# Altium PCB GDI V2.PcbDoc (part 2 of 2)
Units mil, origin at the board's own origin, x right, y up, seen from the top; angles counter-clockwise.
Board outline 3273.06 x 2662.82 mil, 2 copper layers (Top Layer, Bottom Layer); 93 components, 79 nets, 324 pads, 101 vias.
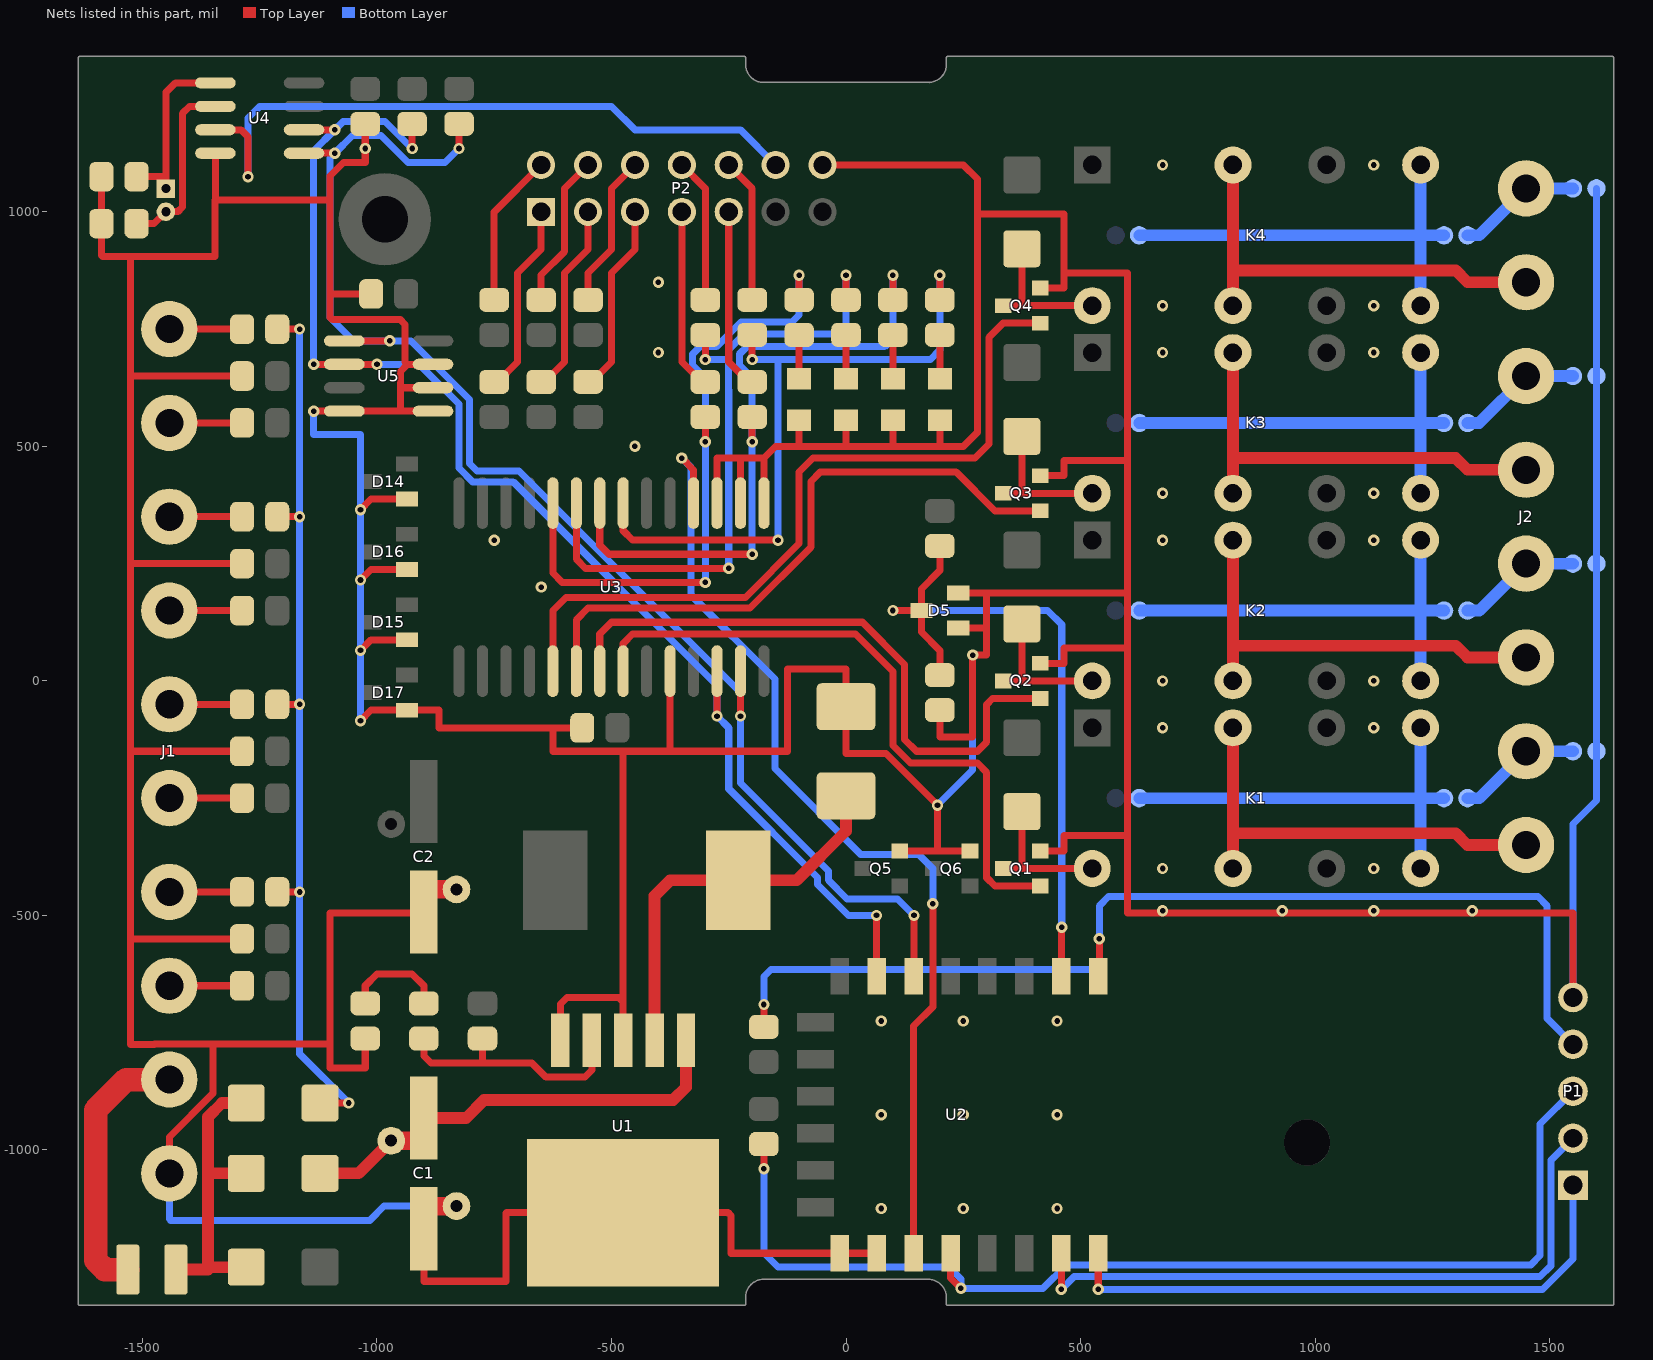
[diagram p2: the nets of this part, all layers, seen from the top]

## Via types
v1: diameter 24, hole 12, Top Layer to Bottom Layer, 101 vias

## Nets (pads, with @x,y where several pads share a name; then routed paths per layer and width w, separated by ;. In a path a pad name is that pad's centre, name@x,y a point inside that pad or via, vN(x,y) a via of type N, cw(c..) or ccw(c..) an arc to the next point about the centre after c; other vN are vias at no path point) (continued)
GND: C1.2 C2.2 C5.1 C6.1 C7.1 C8.1 C9.1 D4.1 D5.1 D5.2 D10.K D11.K D12.K D13.K D14.1 D15.1 D16.1 D17.1 J1.10 LINK5.2 LINK6.2 LINK11.2 LINK12.2 P1.5 P2.14 Q1.2 Q2.2 Q3.2 Q4.2 Q5.2 Q6.2 R2.2 R8.1 R29.1 R30.1 R35.1 R36.1 U1.3 U1.5 U2.15 U2.16 U3.10 U3.15 U3.16 U3.17 U4.4 U5.4 U5.5 U5.6 U5.7 | length 20980.6
  Top Layer w15: C5.1@-1587.4,1075 C6.1@-1587.4,975 -1587.4,907.4 -1585,905 -1525,905 ; J1.10@-1442.67,-1049.95 -1442.67,-972.67 -1350,-880 -1350,-774.45 ; U4.4@-1344.49,1125 -1344.49,1025.51 -1345,1025 ; R36.1@-1287.4,-550 -1525,-550 ; R30.1@-1287.4,-150 -1525,-150 ; R35.1@-1287.4,250 -1525,250 ; R29.1@-1287.4,650 -1525,650 ; v1(-1135,575) U5.4@-1069.49,575 -950,575 ; -1090,825 C9.1@-1012.4,825 ; v1(-1035,-85) -1012.4,-62.4 D17.1@-935.63,-62.4 -867.4,-62.4 -867.4,-100 -625,-100 ; v1(-1035,65) -1012.4,87.6 D15.1@-935.63,87.6 ; v1(-1035,215) -1012.4,237.6 D16.1@-935.63,237.6 ; v1(-1035,365) -1012.4,387.6 D14.1@-935.63,387.6 ; R2.2@-1025,-762.4 -1025,-825 -1100,-825 -1100,-775 ; C7.1@-1025,1187.6 v1(-1025,1135) -1025,1105 -1071.11,1105 -1100,1076.11 -1100,1025 ; C1.2@-900,-1168.11 -900,-1280 -725,-1280 -725,-1135 -723.86,-1133.86 U1.5@-475,-1133.86 -251.14,-1133.86 -245,-1140 -245,-1220 -244.72,-1220.28 U2.15@-13.39,-1220.28 U2.16@65.35,-1220.28 ; C2.2@-900,-493.11 -901.89,-495 -1100,-495 -1100,-775 ; U5.5@-880.51,575 -950,575 ; U5.6@-880.51,625 -950,625 ; U5.7@-880.51,675 -935,675 ; U1.5@-608.86,-765.75 -608.86,-688.86 -595,-675 -485,-675 -475,-685 ; C8.1@-562.4,-100 -625,-100 ; U1.3@-475,-765.75 -475,-685 ; U3.10@-375,20.87 -375,-145 -380,-150 ; U3.17@-275,379.13 -275,475 -225,475 ; U3.16@-225,379.13 -225,475 ; U3.15@-175,379.13 -175,475 ; D10.K@-100,555.71 -100,505 -105,500 ; P2.14@-50,1100 250,1100 280,1070 280,995 ; D11.K@0,555.71 0,500 ; D12.K@100,555.71 100,500 ; Q5.2@114.37,-362.6 200,-362.6 ; R8.1@200,-62.4 200,-120 270,-120 v1(270,55) 300,55 300,185 ; D13.K@200,555.71 200,500 ; D5.1@239.37,112.6 292.4,112.6 ; D5.2@239.37,187.4 592.4,187.4 ; Q6.2@264.37,-362.6 200,-362.6 ; Q1.2@414.37,-362.6 465,-362.6 465,-330 600,-330 ; Q2.2@414.37,37.4 465,37.4 465,70 600,70 ; Q3.2@414.37,437.4 465,437.4 465,470 600,470 ; Q4.2@414.37,837.4 465,837.4 465,870 ; P1.5@1550,-675 1550,-495 600,-495 600,-330 ; -1525,-550 -1525,-150 ; -1525,-550 -1525,-775 -1474.49,-775 -1473.95,-774.45 -1350,-774.45 ; -1525,-150 -1525,250 ; -1525,250 -1525,650 ; -1525,650 -1525,905 ; -1525,905 -1345,905 -1345,1025 ; -1350,-774.45 -1100.55,-774.45 -1100,-775 ; -1345,1025 -1100,1025 ; -1100,1025 -1100,775 -1095,770 -950,770 -940,760 -940,680 -935,675 ; -950,575 -950,625 ; -950,625 -950,660 -935,675 ; -625,-100 -625,-150 -475,-150 ; -475,-685 -475,-150 ; -475,-150 -380,-150 ; -380,-150 -125,-150 -125,25 0,25 D4.1@0,-55 0,-155 85,-155 v1(195,-265) 195,-357.6 200,-362.6 ; -225,475 -175,475 ; -175,475 -150,500 -105,500 ; -105,500 0,500 ; 0,500 100,500 ; 100,500 200,500 ; 200,500 250,500 280,530 280,995 ; 280,995 465,995 465,870 ; 465,870 600,870 600,470 ; 600,-330 600,70 ; 600,70 600,470
  Bottom Layer w15: J1.10@-1442.67,-1049.95 -1442.67,-1147.33 -1440,-1150 -1015,-1150 -984.6,-1119.6 C1.2@-830.4,-1119.6 ; v1(-1135,575) -1135,525 -1035,525 v1(-1035,365) v1(-1035,215) v1(-1035,65) v1(-1035,-85) ; v1(195,-265) 270,-190 v1(270,55) ; P1.5@1550,-675 1550,-305 1600,-255 LINK5.2@1600,-150 LINK6.2@1600,250 LINK11.2@1600,650 LINK12.2@1600,1050
  other v1: 75,-1125 250,-1125 450,-1125 75,-925 250,-925 450,-925 75,-725 250,-725 450,-725 675,-490 930,-490 1125,-490 1335,-490 675,-400 1125,-400 675,-100 1125,-100 675,0 1125,0 -650,200 -750,300 675,300 1125,300 675,400 1125,400 -450,500 -400,700 675,700 1125,700 675,800 1125,800 -400,850 675,1100 1125,1100
GPIO_0: P1.3 R6.1 U2.18 | length 2422.3
  Top Layer w15: v1(-175,-1040) R6.1@-175,-987.4 ; U2.18@222.83,-1220.28 222.83,-1272.83 v1(245,-1295)
  Bottom Layer w15: v1(-175,-1040) -175,-1220 -145,-1250 220,-1250 245,-1275 v1(245,-1295) 420,-1295 470,-1245 1460,-1245 1480,-1225 1480,-945 P1.3@1550,-875
MCP23017_RST: U2.17 U3.18 | length 2112.4
  Top Layer w15: v1(-350,475) -325,450 U3.18@-325,379.13 ; U2.17@144.09,-1220.28 144.09,-735.91 185,-695 v1(185,-475)
  Bottom Layer w15: v1(-350,475) -330,455 -330,182.53 -151.5,4.03 -151.5,-187.08 31.42,-370 155,-370 185,-400 v1(185,-475)
NetC5_2: C5.2 U4.1 X1.1 | length 381.7
  Top Layer w15: C5.2@-1512.6,1075 -1450,1075 ; X1.1@-1450,1049.69 -1450,1075 ; U4.1@-1344.49,1275 -1430,1275 -1450,1255 -1450,1075
NetC6_2: C6.2 U4.2 X1.2 | length 388.8
  Top Layer w15: C6.2@-1512.6,975 -1475.32,975 X1.2@-1450,1000.32 -1424.69,1000.32 -1414.82,1010.19 -1414.82,1210.19 -1400,1225 U4.2@-1344.49,1225
NetD1_1: D1.1 D2.1 D3.1 F1.2 | length 627.3
  Top Layer w25: F1.2@-1428.82,-1255 -1360,-1255 ; D3.1@-1303.74,-1250 -1355,-1250 -1360,-1255 ; D1.1@-1278.74,-1050 -1360,-1050 ; D2.1@-1278.74,-900 -1330.4,-900 -1360,-929.6 -1360,-1050 ; -1360,-1255 -1360,-1050
NetD4_2: D4.2 L1.1 U1.2 | length 847.9
  Top Layer w25: U1.2@-408.07,-765.75 -408.07,-458.07 -375,-425 L1.1@-230,-425 -105,-425 0,-320 D4.2@0,-245
NetD6_1: D6.1 K1.16 Q1.3 | length 500
  Top Layer w15: D6.1@375,-278.74 375,-400 ; 375,-400 K1.16@525,-400 Q1.3@335.63,-400 375,-400
NetD7_1: D7.1 K2.16 Q2.3 | length 500
  Top Layer w15: D7.1@375,121.26 375,0 ; 375,0 Q2.3@335.63,0 K2.16@525,0 375,0
NetD8_1: D8.1 K3.16 Q3.3 | length 310.6
  Top Layer w15: Q3.3@335.63,400 375,400 ; D8.1@375,521.26 375,400 ; K3.16@525,400 375,400
NetD9_1: D9.1 K4.16 Q4.3 | length 310.6
  Top Layer w15: Q4.3@335.63,800 375,800 ; D9.1@375,921.26 375,800 ; K4.16@525,800 375,800
NetD10_A: D10.A R11.2 | length 93.3
  Top Layer w15: D10.A@-100,644.29 R11.2@-100,737.6
NetD11_A: D11.A R12.2 | length 93.3
  Top Layer w15: D11.A@0,644.29 R12.2@0,737.6
NetD12_A: D12.A R13.2 | length 93.3
  Top Layer w15: D12.A@100,644.29 R13.2@100,737.6
NetD13_A: D13.A R14.2 | length 93.3
  Top Layer w15: D13.A@200,644.29 R14.2@200,737.6
NetF1_1: F1.1 J1.9 | length 581.4
  Top Layer w50: F1.1@-1531.18,-1255 -1580,-1255 -1600,-1235 -1600,-915 -1534.95,-849.95 J1.9@-1442.67,-849.95
NetJ1_1: J1.1 R25.1 | length 155.2
  Top Layer w15: J1.1@-1442.67,750.05 R25.1@-1287.45,750.05
NetJ1_2: J1.2 R27.2 | length 155.2
  Top Layer w15: J1.2@-1442.67,550.05 R27.2@-1287.45,550.05
NetJ1_3: J1.3 R31.1 | length 155.2
  Top Layer w15: J1.3@-1442.67,350.05 R31.1@-1287.45,350.05
NetJ1_4: J1.4 R33.2 | length 155.2
  Top Layer w15: J1.4@-1442.67,150.05 R33.2@-1287.45,150.05
NetJ1_5: J1.5 R26.1 | length 155.2
  Top Layer w15: J1.5@-1442.67,-49.95 R26.1@-1287.45,-49.95
NetJ1_6: J1.6 R28.2 | length 155.2
  Top Layer w15: J1.6@-1442.67,-249.95 R28.2@-1287.45,-249.95
NetJ1_7: J1.7 R32.1 | length 155.2
  Top Layer w15: J1.7@-1442.67,-449.95 R32.1@-1287.45,-449.95
NetJ1_8: J1.8 R34.2 | length 155.2
  Top Layer w15: J1.8@-1442.67,-649.95 R34.2@-1287.45,-649.95
NetJ2_1: J2.1 K1.4 K1.13 | length 935.4
  Top Layer w25: K1.13@825,-400 825,-325 ; K1.4@825,-100 825,-325 ; J2.1@1450,-350 1325,-350 1300,-325 825,-325
NetJ2_2: J2.2 LINK3.2 LINK5.1 | length 266.4
  Bottom Layer w25: LINK3.2@1325,-250 1350,-250 J2.2@1450,-150 ; J2.2@1450,-150 LINK5.1@1550,-150
NetJ2_3: J2.3 K2.4 K2.13 | length 935.4
  Top Layer w25: K2.13@825,0 K2.4@825,300 ; 825,75 1300,75 1325,50 J2.3@1450,50
NetJ2_4: J2.4 LINK4.2 LINK6.1 | length 266.4
  Bottom Layer w25: LINK4.2@1325,150 1350,150 J2.4@1450,250 ; J2.4@1450,250 LINK6.1@1550,250
NetJ2_5: J2.5 K3.4 K3.13 | length 935.4
  Top Layer w25: K3.13@825,400 K3.4@825,700 ; 825,475 1300,475 1325,450 J2.5@1450,450
NetJ2_6: J2.6 LINK9.2 LINK11.1 | length 266.4
  Bottom Layer w25: LINK9.2@1325,550 1350,550 J2.6@1450,650.05 ; J2.6@1450,650.05 LINK11.1@1550,650
NetJ2_7: J2.7 K4.4 K4.13 | length 935.4
  Top Layer w25: K4.13@825,800 K4.4@825,1100 ; 825,875.05 1300,875.05 1325,850.05 J2.7@1450,850.05
NetJ2_8: J2.8 LINK10.2 LINK12.1 | length 266.4
  Bottom Layer w25: LINK10.2@1325,950 1350,950 J2.8@1450,1050.05 ; J2.8@1450,1050.05 LINK12.1@1550,1050
NetK1_8: K1.8 K1.9 LINK1.2 LINK3.1 | length 950
  Bottom Layer w25: LINK1.2@625,-250 1225,-250 ; K1.9@1225,-400 1225,-250 ; K1.8@1225,-100 1225,-250 ; LINK3.1@1275,-250 1225,-250
NetK2_8: K2.8 K2.9 LINK2.2 LINK4.1 | length 950
  Bottom Layer w25: LINK2.2@625,150 1225,150 ; K2.9@1225,0 1225,150 ; K2.8@1225,300 1225,150 ; LINK4.1@1275,150 1225,150
NetK3_8: K3.8 K3.9 LINK7.2 LINK9.1 | length 950
  Bottom Layer w25: LINK7.2@625,550 1225,550 ; K3.9@1225,400 1225,550 ; K3.8@1225,700 1225,550 ; LINK9.1@1275,550 1225,550
NetK4_8: K4.8 K4.9 LINK8.2 LINK10.1 | length 950
  Bottom Layer w25: LINK8.2@625,950 1225,950 ; K4.9@1225,800 1225,950 ; K4.8@1225,1100 1225,950 ; LINK10.1@1275,950 1225,950
NetP1_1: P1.1 U2.22 | length 1371
  Top Layer w15: v1(537.8,-1297.2) U2.22@537.8,-1220.28
  Bottom Layer w15: v1(537.8,-1297.2) 1485,-1297.2 1489.2,-1293 1489.53,-1293 1550,-1232.53 ; 1550,-1135 1550,-1232.53 ; P1.1@1550,-1075 1550,-1232.53
NetP1_2: P1.2 U2.21 | length 1530.4
  Top Layer w15: v1(459.06,-1297.2) U2.21@459.06,-1220.28
  Bottom Layer w15: v1(459.06,-1297.2) 486.56,-1269.7 549.19,-1269.7 549.48,-1270 1480,-1270 1503,-1247 ; 1503,-1150 1503,-1247 ; P1.2@1550,-975 1503,-1022 1503,-1247
NetP2_1: P2.1 R15.1 | length 411
  Top Layer w15: R15.1@-750,640 R15.1@-750,637.4 -742.6,637.4 -700,680 -700,870 -650,920 P2.1@-650,1000
NetP2_2: P2.2 R16.1 | length 329
  Top Layer w15: R16.1@-750,812.4 -750,1000 P2.2@-650,1100
NetP2_3: P2.3 R17.1 | length 401
  Top Layer w15: R17.1@-642.6,637.4 -600,680 -600,870 -550,920 P2.3@-550,1000
NetP2_4: P2.4 R18.1 | length 329
  Top Layer w15: R18.1@-650,812.4 -650,865 -600,915 -600,1050 P2.4@-550,1100
NetP2_5: P2.5 R19.1 | length 401
  Top Layer w15: R19.1@-542.6,637.4 -500,680 -500,870 -450,920 P2.5@-450,1000
NetP2_6: P2.6 R20.1 | length 329
  Top Layer w15: R20.1@-550,812.4 -550,870 -500,920 -500,1050 P2.6@-450,1100
NetP2_7: P2.7 R21.1 | length 387.6
  Top Layer w15: P2.7@-350,1000 -350,680 -307.4,637.4 R21.1@-300,637.4
NetP2_8: P2.8 R22.1 | length 308.3
  Top Layer w15: P2.8@-350,1100 -300,1050 R22.1@-300,812.4
NetP2_9: P2.9 R23.1 | length 387.6
  Top Layer w15: P2.9@-250,1000 -250,680 -207.4,637.4 R23.1@-200,637.4
NetP2_10: P2.10 R24.1 | length 308.3
  Top Layer w15: P2.10@-250,1100 -200,1050 R24.1@-200,812.4
NetR1_1: R1.1 R3.1 U1.4 | length 534.6
  Top Layer w15: R1.1@-900,-762.4 -900,-800 -885,-815 -775,-815 ; R3.1@-775,-762.4 -775,-815 ; -556.93,-845 -640,-845 -670,-815 -775,-815 ; -555,-843.07 -541.93,-830 U1.4@-541.93,-765.75
NetR1_2: R1.2 R2.1 | length 220.9
  Top Layer w15: R2.1@-1025,-687.6 -1025,-650 -1000,-625 -925,-625 -900,-650 R1.2@-900,-687.6
RELAY_1: Q1.1 U3.8 | length 1403.3
  Top Layer w15: U3.8@-475,20.87 -475,80 -455,100 20,100 100,20 100,-137.47 137.53,-175 280,-175 300,-195 300,-419.76 317.65,-437.4 Q1.1@414.37,-437.4
RELAY_2: Q2.1 U3.7 | length 1330
  Top Layer w15: U3.7@-525,20.87 -525,100 -500,125 35,125 125,35 125,-125 150,-150 280,-150 300,-130 300,-50 312.6,-37.4 Q2.1@414.37,-37.4
RELAY_3: Q3.1 U3.6 | length 1345.1
  Top Layer w15: U3.6@-575,20.87 -575,130 -550,155 -205,155 -75,285 -75,425 -55,445 235,445 317.4,362.6 Q3.1@414.37,362.6
RELAY_4: Q4.1 U3.5 | length 1644.9
  Top Layer w15: U3.5@-625,20.87 -625,150 -597,178 -214.53,178 -100,292.53 -100,445 -70,475 275,475 305,505 305,732.6 335,762.6 Q4.1@414.37,762.6
RST: P1.4 R10.1 U2.1 | length 2321.9
  Top Layer w15: R10.1@-175,-737.6 v1(-175,-690) ; U2.1@540,-627.52 v1(540,-550)
  Bottom Layer w15: v1(-175,-690) -175,-630 -160,-615 525,-615 540,-600 v1(540,-550) 540,-480 560,-460 1475,-460 1495,-480 1495,-720 P1.4@1550,-775
SCL: R5.1 U2.7 U3.12 U4.6 U5.2 | length 2948.6
  Top Layer w15: U4.6@-1155.51,1175 v1(-1090,1175) ; v1(-1135,675) U5.2@-1069.49,675 v1(-1000,675) ; v1(-925,1135) R5.1@-925,1187.6 ; v1(-275,-75) U3.12@-275,20.87 ; v1(65,-500) 65.35,-500.35 U2.7@65.35,-629.72
  Bottom Layer w15: v1(-1135,675) -1135,1130 v1(-1090,1175) -1072,1193 -983,1193 v1(-925,1135) ; v1(-1000,675) -910,675 -825.5,590.5 -825.5,454.08 -795.92,424.5 -709.5,424.5 -275,-10 v1(-275,-75) -250,-100 -250,-230 -60.5,-419.5 -60.5,-434.5 5,-500 v1(65,-500)
SDA: R4.2 U2.6 U3.13 U4.5 U5.1 | length 3089.5
  Top Layer w15: U4.5@-1155.51,1125 v1(-1090,1125) ; U5.1@-1069.49,725 v1(-972.5,725) ; v1(-825,1135) R4.2@-825,1187.6 ; v1(-225,-75) U3.13@-225,20.87 ; U2.6@144.09,-629.72 145,-628.82 v1(145,-500)
  Bottom Layer w15: v1(-825,1135) -855,1105 -933.89,1105 -991.39,1162.5 -1052.5,1162.5 v1(-1090,1125) -1100,1115 -1100,775 -1050,725 v1(-972.5,725) -927.47,725 -802.5,600.03 -802.5,463.61 -786.39,447.5 -697.5,447.5 -225,-25 v1(-225,-75) -225,-217.53 -37.5,-405.03 -37.5,-424.97 2.53,-465 110,-465 v1(145,-500)
STATUS_0: R11.1 R21.2 U3.24 | length 1432.5
  Top Layer w15: U3.24@-625,379.13 -625,230 -605,210 v1(-300,210) ; v1(-300,510) R21.2@-300,562.6 ; R11.1@-100,812.4 v1(-100,865)
  Bottom Layer w15: v1(-300,210) v1(-300,510) -300,646.11 -327.5,673.61 -327.5,696.39 -311.39,712.5 -276.44,712.5 -223.94,765 -115,765 -100,780 v1(-100,865)
STATUS_1: R12.1 R22.2 U3.23 | length 1451.1
  Top Layer w15: U3.23@-575,379.13 -575,260 -555,240 v1(-250,240) ; v1(-300,685) R22.2@-300,737.6 ; R12.1@0,812.4 v1(0,865)
  Bottom Layer w15: v1(-300,685) -250.5,685 ; v1(-250,240) -250,620 -250.5,620.5 -250.5,685 ; v1(0,865) 0,760 -20,740 -216.42,740 -250.5,705.92 -250.5,685
STATUS_2: R13.1 R23.2 U3.22 | length 1441.8
  Top Layer w15: U3.22@-525,379.13 -525,290 -505,270 v1(-200,270) ; v1(-200,510) R23.2@-200,562.6 ; R13.1@100,812.4 v1(100,865)
  Bottom Layer w15: v1(-200,270) v1(-200,510) -200,646.11 -227.5,673.61 -227.5,696.39 -211.39,712.5 82.5,712.5 100,730 v1(100,865)
STATUS_3: R14.1 R24.2 U3.21 | length 1455.9
  Top Layer w15: U3.21@-475,379.13 -475,320 -455,300 v1(-145,300) ; v1(-200,685) R24.2@-200,737.6 ; R14.1@200,812.4 v1(200,865)
  Bottom Layer w15: v1(-200,685) -145,685 ; v1(-145,300) -145,685 ; v1(200,865) 200,705 180,685 -145,685
V(EXT): D2.2 R25.2 R26.2 R31.2 R32.2 | length 1945.1
  Top Layer w15: R32.2@-1212.6,-450 v1(-1165,-450) ; R26.2@-1212.6,-50 v1(-1165,-50) ; R31.2@-1212.6,350 v1(-1165,350) ; R25.2@-1212.6,750 v1(-1165,750) ; D2.2@-1121.26,-900 v1(-1060,-900)
  Bottom Layer w15: v1(-1165,750) v1(-1165,-450) -1165,-795 v1(-1060,-900)
V+: C1.1 D1.2 U1.1 | length 867
  Top Layer w25: D1.2@-1121.26,-1050 -1039.19,-1050 C1.1@-969.6,-980.4 ; C1.1@-900,-931.89 -810,-931.89 -771.56,-893.44 -368.44,-893.44 -341.14,-866.14 U1.1@-341.14,-765.75
VBATT: P2.12 U4.3 | length 1472.8
  Top Layer w15: U4.3@-1344.49,1175 -1290,1175 -1275,1160 v1(-1275,1075)
  Bottom Layer w15: v1(-1275,1075) -1275,1200 -1250,1225 -500,1225 -450,1175 -225,1175 P2.12@-150,1100
VSUPPLY: D5.3 R7.1 R8.2 U2.2 | length 1491
  Top Layer w15: v1(100,150) D5.3@160.63,150 ; R8.2@200,12.4 200,65 160.63,104.37 D5.3@160.63,150 ; R7.1@200,287.6 200,235 160.63,195.63 D5.3@160.63,150 ; U2.2@459.06,-629.72 459.06,-525.94 v1(460,-525)
  Bottom Layer w15: v1(100,150) 430,150 460,120 v1(460,-525)
pads on no net: K1.6 K1.11 K2.6 K2.11 K3.6 K3.11 K4.6 K4.11 P2.11 U2.9 U2.10 U2.11 U2.12 U2.13 U2.14 U2.19 U2.20 U3.11 U3.14 U3.19 U3.20 U4.7 U5.3

## Polygon pours and split planes (outlines as drawn)
GND on Top Layer "Top GND" (solid, remove dead copper, pour order 2): -1634.98,-1333.63 -217.5,-1333.63 ccw(c-217.5,-1331.12) -214.98,-1331.12 -214.98,-1315.22 cw(c-181.9,-1315.31) -213.38,-1305.13 ccw(c-215.77,-1304.36) -213.37,-1305.11 cw(c-177.68,-1316.65) -209.13,-1296.21 ccw(c-211.23,-1294.82) -209.12,-1296.18 cw(c-175.48,-1317.86) -209.1,-1296.17 cw(c-175.55,-1317.84) -188.96,-1280.21 cw(c-175.38,-1317.83) -188.95,-1280.21 ccw(c-189.79,-1277.84) -188.94,-1280.2 cw(c-177.89,-1312.11) -180.75,-1278.47 ccw(c-180.96,-1275.96) -179.46,-1277.98 ccw(c-178.13,-1275.84) -178.13,-1278.36 176.2,-1278.36 cw(c176.11,-1311.44) 186.26,-1279.95 cw(c176.17,-1311.49) 186.28,-1279.96 ccw(c187.05,-1277.57) 186.3,-1279.97 cw(c174.77,-1315.66) 195.22,-1284.22 ccw(c196.59,-1282.11) 195.26,-1284.24 ccw(c173.55,-1317.74) 195.23,-1284.22 195.26,-1284.24 cw(c173.58,-1317.79) 211.2,-1304.38 cw(c173.68,-1317.75) 211.21,-1304.39 ccw(c213.61,-1303.49) 211.21,-1304.39 cw(c179.31,-1315.45) 212.95,-1312.59 ccw(c215.46,-1312.38) 213.06,-1313.14 213.06,-1331.12 ccw(c215.57,-1331.12) 215.57,-1333.63 550,-1333.63 ccw(c550,-1331.12) 552.51,-1331.12 552.52,-534.44 552.52,-506.96 555,-506.96 ccw(c555,-504.44) 555,-506.96 1633.05,-506.96 ccw(c1633.05,-504.44) 1635.57,-504.44 1635.57,1325 ccw(c1633.05,1325) 1633.05,1327.52 627.37,1327.52 ccw(c625,1326.68) 625,1329.19 215.57,1329.19 ccw(c215.57,1326.68) 213.06,1326.68 213.06,1310.78 cw(c179.97,1310.87) 211.46,1300.69 ccw(c213.85,1299.92) 211.45,1300.67 ccw(c175.86,1312.2) 211.45,1300.69 211.45,1300.67 cw(c175.76,1312.21) 207.21,1291.77 cw(c175.74,1312.34) 207.2,1291.75 ccw(c209.3,1290.38) 207.18,1291.73 ccw(c173.55,1313.42) 207.19,1291.74 cw(c209.31,1290.38) 207.21,1291.77 207.18,1291.73 cw(c173.62,1313.4) 187.04,1275.77 cw(c173.45,1313.39) 187.02,1275.77 ccw(c187.87,1273.4) 187.01,1275.76 ccw(c176,1307.63) 187.04,1275.77 ccw(c176.09,1307.46) 187.04,1275.77 187.01,1275.76 cw(c175.97,1307.67) 178.82,1274.03 ccw(c179.03,1271.52) 177.53,1273.54 ccw(c176.2,1271.4) 176.2,1273.92 -178.12,1273.92 cw(c-178.03,1307) -188.19,1275.51 cw(c-178.09,1307.05) -188.21,1275.52 ccw(c-188.98,1273.13) -188.23,1275.53 ccw(c-176.67,1311.22) -188.21,1275.52 cw(c-188.98,1273.14) -188.19,1275.51 -188.23,1275.53 cw(c-176.69,1311.22) -197.15,1279.78 ccw(c-198.52,1277.67) -197.18,1279.8 ccw(c-175.48,1313.3) -197.16,1279.78 -197.18,1279.8 cw(c-175.5,1313.35) -213.13,1299.94 cw(c-175.6,1313.31) -213.13,1299.95 ccw(c-215.54,1299.05) -213.14,1299.95 cw(c-181.23,1311.01) -214.87,1308.15 ccw(c-217.38,1307.94) -214.98,1308.7 -214.98,1326.68 ccw(c-217.5,1326.68) -217.5,1329.19 -1634.98,1329.19 ccw(c-1634.98,1326.68) -1637.49,1326.68 -1637.49,-1331.12 ccw(c-1634.98,-1331.12)
GND on Bottom Layer "Bottom GND" (solid, remove dead copper, pour order 3): -1639.98,-1333.63 -222.5,-1333.63 ccw(c-222.5,-1331.12) -219.98,-1331.12 -219.98,-1315.22 cw(c-186.9,-1315.31) -218.38,-1305.13 ccw(c-220.77,-1304.36) -218.37,-1305.11 cw(c-182.68,-1316.65) -214.13,-1296.21 ccw(c-216.23,-1294.82) -214.12,-1296.18 cw(c-180.48,-1317.86) -214.1,-1296.17 cw(c-180.55,-1317.84) -193.96,-1280.21 cw(c-180.38,-1317.83) -193.95,-1280.21 ccw(c-194.79,-1277.84) -193.94,-1280.2 cw(c-182.89,-1312.11) -185.75,-1278.47 ccw(c-185.96,-1275.96) -184.46,-1277.98 ccw(c-183.13,-1275.84) -183.13,-1278.36 171.2,-1278.36 cw(c171.11,-1311.44) 181.26,-1279.95 cw(c171.17,-1311.49) 181.28,-1279.96 ccw(c182.05,-1277.57) 181.3,-1279.97 cw(c169.77,-1315.66) 190.22,-1284.22 ccw(c191.59,-1282.11) 190.26,-1284.24 ccw(c168.55,-1317.74) 190.23,-1284.22 190.26,-1284.24 cw(c168.58,-1317.79) 206.2,-1304.38 cw(c168.68,-1317.75) 206.21,-1304.39 ccw(c208.61,-1303.49) 206.21,-1304.39 cw(c174.31,-1315.45) 207.95,-1312.59 ccw(c210.46,-1312.38) 208.06,-1313.14 208.06,-1331.12 ccw(c210.57,-1331.12) 210.57,-1333.63 545,-1333.63 ccw(c545,-1331.12) 547.51,-1331.12 547.52,-534.44 547.52,-506.96 550,-506.96 ccw(c550,-504.44) 550,-506.96 1628.05,-506.96 ccw(c1628.05,-504.44) 1630.57,-504.44 1630.57,1325 ccw(c1628.05,1325) 1628.05,1327.52 622.37,1327.52 ccw(c620,1326.68) 620,1329.19 210.57,1329.19 ccw(c210.57,1326.68) 208.06,1326.68 208.06,1310.78 cw(c174.97,1310.87) 206.46,1300.69 ccw(c208.85,1299.92) 206.45,1300.67 ccw(c170.86,1312.2) 206.45,1300.69 206.45,1300.67 cw(c170.76,1312.21) 202.21,1291.77 cw(c170.74,1312.34) 202.2,1291.75 ccw(c204.3,1290.38) 202.18,1291.73 ccw(c168.55,1313.42) 202.19,1291.74 cw(c204.31,1290.38) 202.21,1291.77 202.18,1291.73 cw(c168.62,1313.4) 182.04,1275.77 cw(c168.45,1313.39) 182.02,1275.77 ccw(c182.87,1273.4) 182.01,1275.76 ccw(c171,1307.63) 182.04,1275.77 ccw(c171.09,1307.46) 182.04,1275.77 182.01,1275.76 cw(c170.97,1307.67) 173.82,1274.03 ccw(c174.03,1271.52) 172.53,1273.54 ccw(c171.2,1271.4) 171.2,1273.92 -183.12,1273.92 cw(c-183.03,1307) -193.19,1275.51 cw(c-183.09,1307.05) -193.21,1275.52 ccw(c-193.98,1273.13) -193.23,1275.53 ccw(c-181.67,1311.22) -193.21,1275.52 cw(c-193.98,1273.14) -193.19,1275.51 -193.23,1275.53 cw(c-181.69,1311.22) -202.15,1279.78 ccw(c-203.52,1277.67) -202.18,1279.8 ccw(c-180.48,1313.3) -202.16,1279.78 -202.18,1279.8 cw(c-180.5,1313.35) -218.13,1299.94 cw(c-180.6,1313.31) -218.13,1299.95 ccw(c-220.54,1299.05) -218.14,1299.95 cw(c-186.23,1311.01) -219.87,1308.15 ccw(c-222.38,1307.94) -219.98,1308.7 -219.98,1326.68 ccw(c-222.5,1326.68) -222.5,1329.19 -1639.98,1329.19 ccw(c-1639.98,1326.68) -1642.49,1326.68 -1642.49,-1331.12 ccw(c-1639.98,-1331.12)

## Silkscreen, mask and mechanical layers (free items; w line width, h text height)
Top Overlay:
  drawing of 3569 lines, arcs and shapes, not listed
  text "ludzinc.blogspot.com.au" at -750,1275 h60
  text "LCL_GDI (DELUX)" at 650,1250 h100
  text "V2.00" at 1375,1250 h100
  text "A OUT_1 B" at 1300,1200 h60 r270
  text "Vswitch" at -1350,800 h60
  text "A OUT_2 B" at 1300,775 h60 r270
  text "IN1" at -1350,450 h60
  text "Vswitch" at -1350,400 h60
  text "A OUT_3 B" at 1300,350 h60 r270
  text "IN2" at -1350,50 h60
  text "Vswitch" at -1350,0 h60
  text "A OUT_4 B" at 1300,-25 h60 r270
  text "IN3" at -1350,-350 h60
  text "Vswitch" at -1350,-400 h60
  text "WWW.LOWCOSTLABS.COM.AU" at 459.06,-575 h100
  text "IN4" at -1350,-750 h60
  text "VIN" at -1350,-825 h60
  text "9 - 15V" at -1250,-825 h60
  text "GND" at -1325,-1175 h60
  text "S" at 925,-1350 h225
Bottom Overlay:
  drawing of 3727 lines, arcs and shapes, not listed
  text "GND" at 1625,975 h60
  text "12V" at 750,925 h60
  text "DRY" at 1225,925 h60
  text "GND" at 1625,575 h60
  text "12V" at 750,525 h60
  text "DRY" at 1225,525 h60
  text "GND" at 1630.65,187.34 h60
  text "12V" at 750,125 h60
  text "DRY" at 1225,125 h60
  text "GND" at 1625,-225 h60
  text "12V" at 750,-275 h60
  text "DRY" at 1225,-275 h60
  text "V2.00" at -575,-300 h100
  text "LCL GDI (DELUX)" at 350,-300 h100
  text "WWW.LOWCOSTLABS.COM.AU" at 350,-375 h100
  text "ludzinc.blogspot.com.au" at 350,-450 h100
  text "S" at -200,-1175 h500
Outline:
  lines w5: -216.54,1310.16 -216.54,1328.9 -1634.02,1328.9 -1634.02,-1328.9 -216.54,-1328.9 -216.54,-1312.99 cw(c-180.93,-1313.09) -214.81,-1302.14 cw(c-176.72,-1314.43) -210.27,-1292.6 cw(c-174.58,-1315.62) -188.83,-1275.62 cw(c-176.93,-1309.89) -180,-1273.74 ; -216.42,1310.16 ccw(c-180.27,1313.23) -214.54,1301.33 ccw(c-174.54,1315.57) -197.56,1279.89 ccw(c-175.73,1313.44) -188.02,1275.35 ccw(c-177.07,1309.22) -177.17,1273.62 177.17,1273.62 ; -177.17,-1273.62 177.17,-1273.62 cw(c177.07,-1309.22) 188.02,-1275.35 cw(c175.73,-1313.44) 197.56,-1279.89 cw(c174.54,-1315.57) 214.54,-1301.33 cw(c180.27,-1313.23) 216.42,-1310.16 ; 180,1273.74 ccw(c176.93,1309.89) 188.83,1275.62 ccw(c174.58,1315.62) 210.27,1292.6 ccw(c176.72,1314.43) 214.81,1302.14 ccw(c180.93,1313.09) 216.54,1312.99 216.54,1328.9 1634.02,1328.9 1634.02,-1328.9 216.54,-1328.9 216.54,-1310.16
Dimensions:
  drawing of 957 lines, arcs and shapes, not listed
Mechanical 4:
  lines w10: -348.93,1000 -348.93,1100 ; -648.93,1000 -648.93,1100 -48.93,1100 -48.93,1000 -648.93,1000
  text "1" at -4645.67,3996.06 h60 r270
  text "2" at -1377.95,3996.06 h60 r270
  text "3" at 1574.8,3996.06 h60 r270
  text "4" at 4389.76,3996.06 h60 r270
  text "A" at -5767.72,3090.55 h60 r270
  text "A" at 5728.35,3090.55 h60 r270
  text "B" at -5787.4,1003.94 h60 r270
  text "B" at 5708.66,1003.94 h60 r270
  text "C" at -5767.72,-1122.05 h60 r270
  text "C" at 5728.35,-1122.05 h60 r270
  text "D" at -5767.72,-3248.03 h60 r270
  text "S" at -5649.61,-3937.01 h60 r270
  text "1" at -4645.67,-4055.12 h60 r270
  text "2" at -1377.95,-4055.12 h60 r270
Mechanical 5:
  lines w5: -217.5,1307.94 -217.5,1326.68 -1634.98,1326.68 -1634.98,-1331.12 -217.5,-1331.12 -217.5,-1315.21 cw(c-181.9,-1315.31) -215.77,-1304.36 cw(c-177.68,-1316.65) -211.23,-1294.82 cw(c-175.55,-1317.84) -189.79,-1277.84 cw(c-177.89,-1312.11) -180.96,-1275.96 ; -217.38,1307.94 ccw(c-181.23,1311.01) -215.5,1299.11 ccw(c-175.5,1313.35) -198.52,1277.67 ccw(c-176.69,1311.22) -188.98,1273.13 ccw(c-178.03,1307) -178.13,1271.4 176.2,1271.4 ; -178.13,-1275.84 176.2,-1275.84 cw(c176.11,-1311.44) 187.06,-1277.57 cw(c174.77,-1315.66) 196.6,-1282.11 cw(c173.58,-1317.79) 213.58,-1303.55 cw(c179.31,-1315.45) 215.46,-1312.38 ; 179.03,1271.52 ccw(c175.97,1307.67) 187.87,1273.4 ccw(c173.62,1313.4) 209.3,1290.38 ccw(c175.76,1312.21) 213.85,1299.92 ccw(c179.97,1310.87) 215.57,1310.77 215.57,1326.68 625,1326.68 ; 215.57,-1312.38 215.57,-1331.12 550,-1331.12 550,-534.44 550,-504.44 555,-504.44 1633.05,-504.44 1633.05,500 1633.05,1325 625,1325
Mechanical 32:
  drawing of 655 lines, arcs and shapes, not listed
  text "D" at 5728.35,-3248.03 h60
  text "LOW COST LABS" at 2692.24,-3307.09 h177.17
  text "TITLE: LCL GDI (PRODUCTION)" at 1373.35,-3523.62 h177.17
  text "ludzinc.blogspot.com.au" at 3755.24,-3562.99 h98.43
  text "SIZE: A4" at 1373.35,-3700.79 h177.17
  text "Number: LCL_002" at 2204.72,-3700.79 h100
  text "Revison 2.00" at 2992.13,-3700.79 h100
  text "www.lowcostlabs.com.au" at 3735.55,-3700.79 h98.43
  text "DATE:" at 1377.95,-3818.9 h100
  text ".Print_Date" at 1614.17,-3818.9 h100
  text "SHEET 1 of 1" at 2992.13,-3818.9 h100
  text "FILE:" at 1377.95,-3917.32 h100
  text ".Pcb_File_Name" at 1614.17,-3917.32 h100
  text "3" at 1574.8,-4055.12 h60
  text "4" at 4389.76,-4055.12 h60